# KiCad board CPU2908C.kicad_pcb (continued)
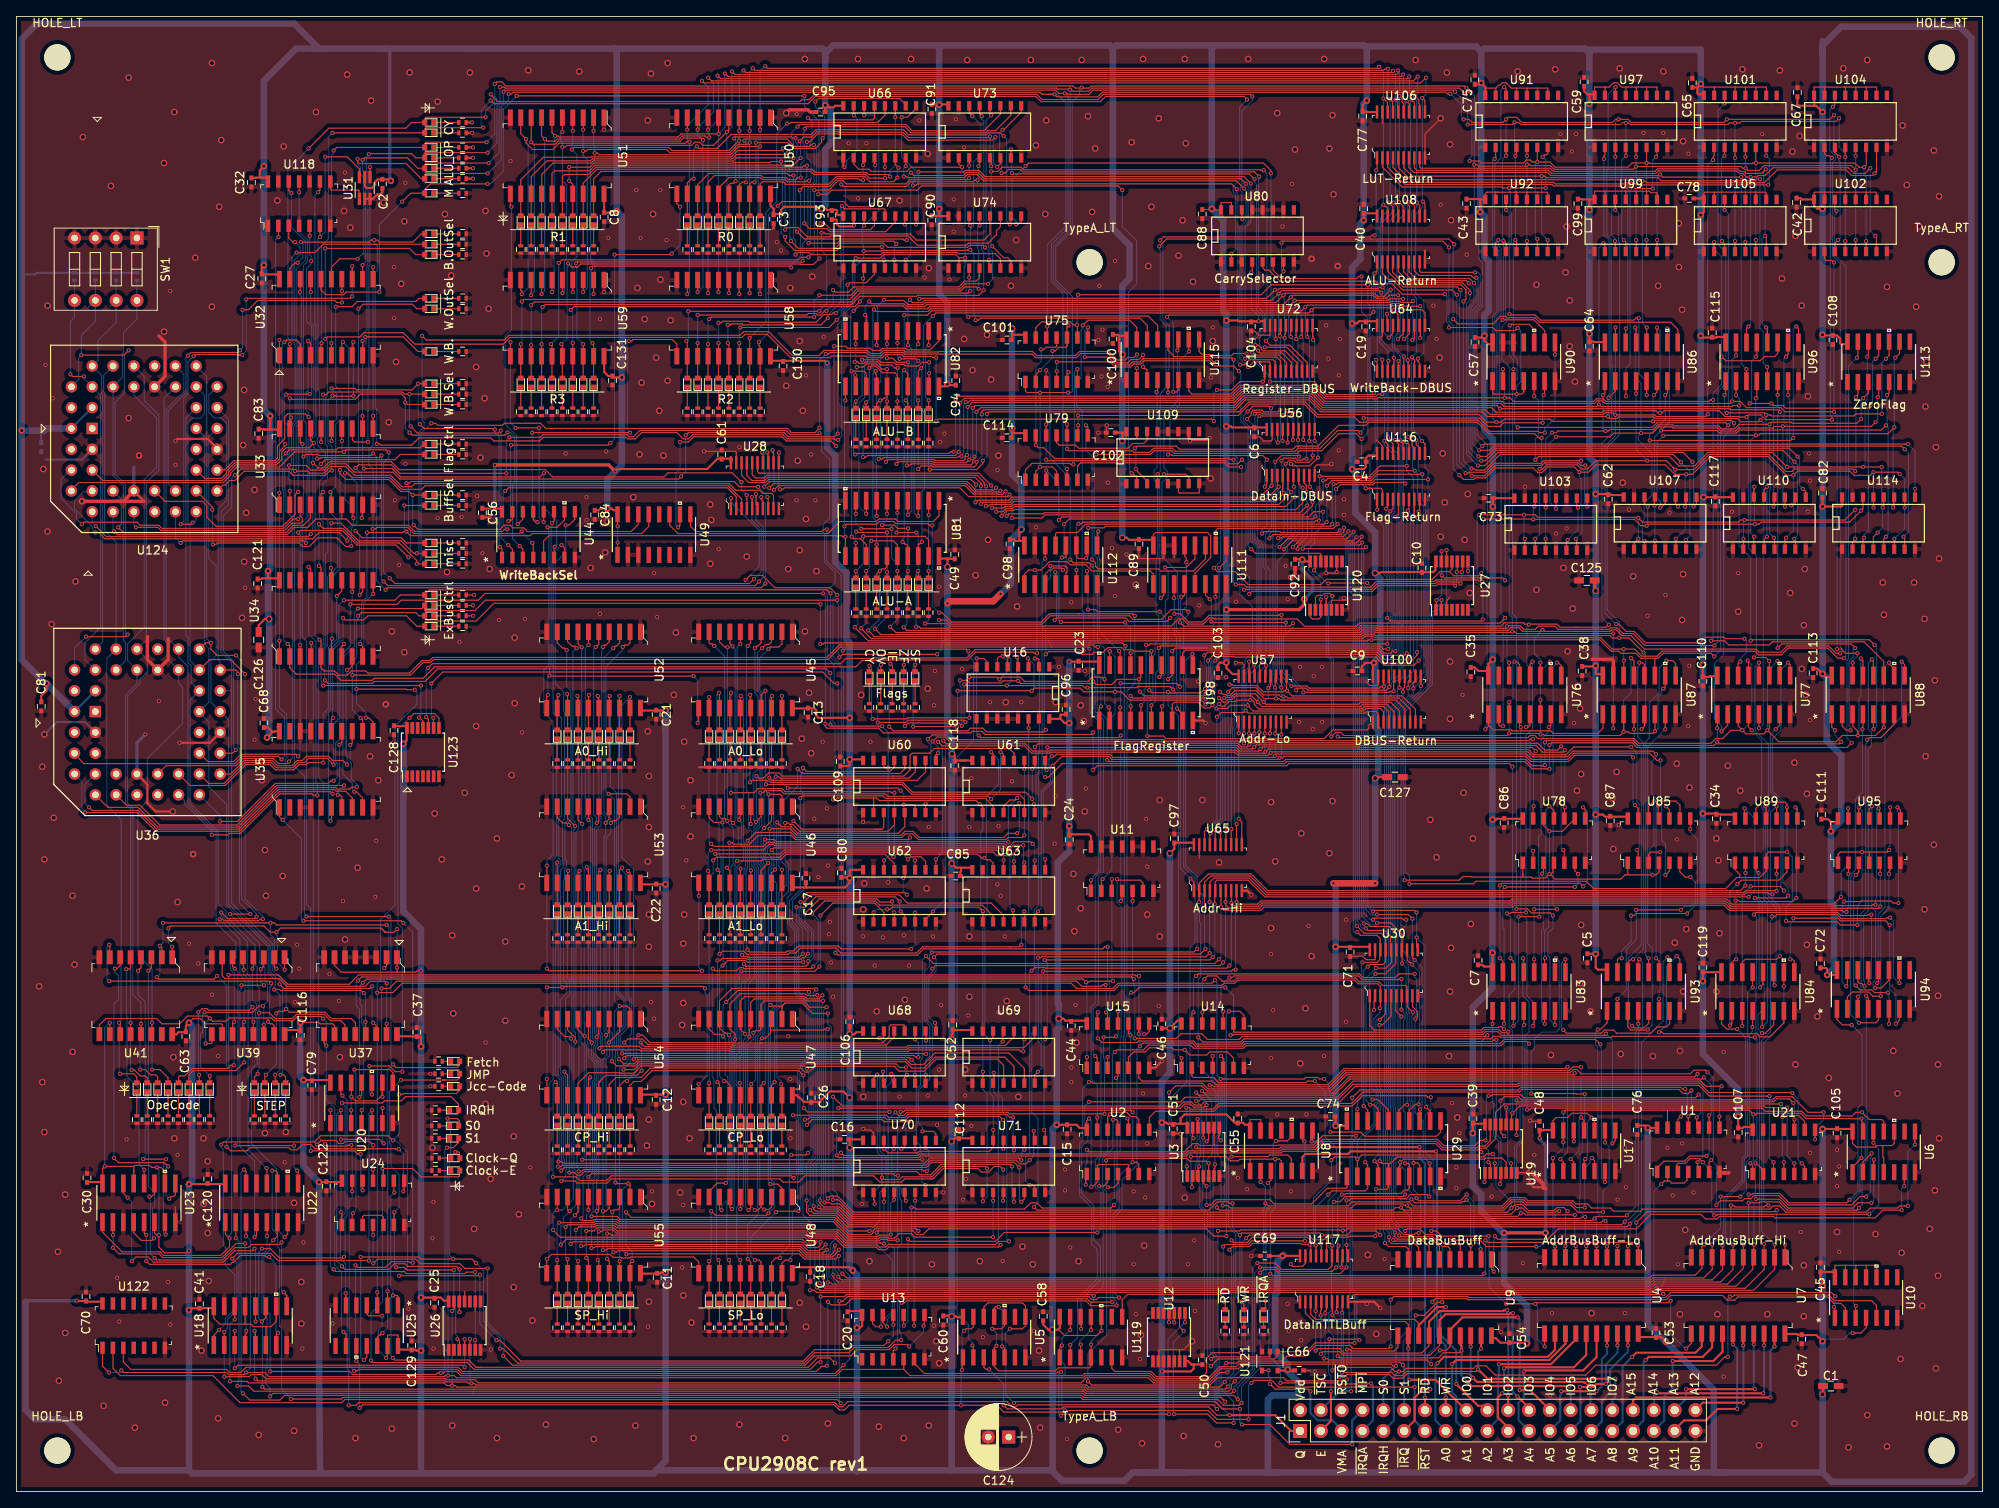
[diagram p0: board, top side]
## Routing (per net, layer and track width the routed paths; a pad name or vN(x,y) marks a point on that pad's centre or on a via; arc(x,y) is an arc through that point) (continued)
/ExBusCtrl1: length 319.8
  Top w0.127: v2(163.18,23.8) 163.43,24.05 200.96,24.05 v2(201.03,24.12) ; 49.88,108.13 49.5,107.75 v2(41.71,107.75) ; 201.53,37.9 201.15,37.9 v2(200.77,37.52) ; 201.53,37.9 U1.2 ; 201.53,37.9 201.77,37.9 202.02,37.65 203.57,37.65 203.93,38.01 203.93,38.88 ; v2(145.78,15.29) 146.67,16.18 149.13,16.18 153.53,16.18 153.89,16.55 153.89,16.95 ; v2(112.38,102.16) 100.82,102.16 v2(100.44,101.78) ; 49.81,107.59 49.81,108.09 ; 49.81,107.59 49.9,107.5 55.96,107.5 57.23,108.77 v2(100.19,108.77) ; 49.81,107.59 49.81,107.62 ; v2(41.26,85.4) 41.52,85.4 42.26,84.65 U35.9 ; v2(143.06,107.37) 142.81,107.62 140.95,107.62 139.75,106.42 136.3,106.42 135.86,106.86 130.97,106.86 126.2,106.86 125.19,105.85 114.03,105.85 113.52,106.35 v2(112.62,106.35) ; 143.58,44.41 143.58,43.2 v2(143.67,43.11) ; v2(163.35,18.15) 158.54,18.15 157.47,17.07 154.02,17.07
  Bottom w0.127: v2(201.03,24.12) 199.88,25.26 199.88,36.63 v2(200.77,37.52) ; v2(112.38,102.16) 112.89,102.67 112.89,106.08 v2(112.62,106.35) ; v2(100.19,108.77) 100.19,108.41 100.32,108.29 100.32,102.26 100.44,102.14 v2(100.44,101.78) ; v2(41.26,85.4) 41.01,85.65 41.01,86.41 39.86,87.56 39.86,101.77 41.27,103.17 41.27,107.31 v2(41.71,107.75) ; v2(143.06,107.37) 143.06,107.02 142.48,106.44 142.48,76.25 143.86,74.87 143.86,66.97 143.24,66.35 143.24,43.53 v2(143.67,43.11) 143.42,42.86 143.42,41.9 143.87,41.45 143.89,41.45 144.11,41.23 144.11,40.08 143.92,39.89 143.92,38.12 144.45,37.58 144.45,34.66 145.02,34.1 145.02,16.06 v2(145.78,15.29) ; v2(163.35,18.15) 163.35,23.63 v2(163.18,23.8)
/ExBusCtrl2: length 174.9
  Top w0.127: v2(41.71,106.86) 42.09,107.24 48.75,107.24 49.14,106.86 49.88,106.86 ; v2(42.01,94.42) 42.26,94.16 U35.12 ; v2(41.01,99.62) 48.12,99.62 49.64,101.15 50.55,101.15 50.93,101.53 99.05,101.53 100.57,103.05 126.34,103.05 130.79,103.05 v2(130.98,102.86) ; U2.13 131.92,45.63 v2(131.94,45.65)
  Bottom w0.127: v2(41.71,106.86) 41.71,106.51 41.52,106.32 41.52,101.79 41.01,101.28 v2(41.01,99.62) 41.01,95.41 v2(42.01,94.42) ; v2(131.94,45.65) 131.94,49.6 131.18,50.36 131.18,59.11 131.69,59.62 131.69,74.98 132.32,75.62 132.32,94.16 131.43,95.05 131.43,97.41 131.3,97.54 131.3,98.23 130.98,98.55 v2(130.98,102.86)
/ExBusCtrl3: length 176.7
  Top w0.127: v2(38.64,94.42) 38.45,94.23 U35.15 ; v2(98.14,103.43) 98.49,103.43 98.62,103.56 113.08,103.56 131,103.56 131.01,103.55 134.99,103.55 v2(135.37,103.18) ; 49.77,105.59 48.88,105.59 47.61,106.86 42.91,106.86 42.41,106.36 40.11,106.36 v2(39.86,106.61) ; v2(98.16,108.26) 98.03,108.39 58.28,108.39 56.12,106.22 50.01,106.22 49.88,106.09 49.88,105.85 ; U2.10 135.73,45.41 v2(135.62,45.52) ; 49.88,105.59 49.63,105.85
  Bottom w0.127: v2(98.14,103.43) 98.14,108.24 v2(98.16,108.26) ; v2(39.86,106.61) 39.86,103.94 38.59,102.67 38.59,94.46 v2(38.64,94.42) ; v2(135.37,103.18) 135.37,102.83 135.24,102.7 135.24,55.64 135.11,55.51 135.11,46.03 v2(135.62,45.52)
/Executer/AHO0: length 21.6
  Top w0.127: U78.3 186.41,75.57 v2(186.24,75.4) ; U83.6 186.53,57.09 v2(186.55,57.08)
  Bottom w0.127: v2(186.24,75.4) 186.24,75.05 186.37,74.92 186.37,68.6 186.15,68.38 186.15,57.47 v2(186.55,57.08)
/Executer/AHO1: length 30.8
  Top w0.127: v2(181.68,73.78) 181.69,73.78 v2(190.22,73.78) ; U78.6 190.22,75.76 v2(190.61,75.37) ; v2(181.6,57.08) 181.6,58.98 181.46,59.11
  Bottom w0.127: v2(190.22,73.78) 190.61,74.18 v2(190.61,75.37) ; v2(181.68,73.78) 181.43,73.53 181.43,68.78 181.6,68.62 v2(181.6,57.08)
/Executer/AHO2: length 32.7
  Top w0.127: U83.15 181.45,64.7 v2(181.07,65.08) ; U78.8 191.49,83.24 v2(191.23,83.49) ; v2(181.09,73.97) 181.34,74.22 190.87,74.22 v2(191.25,73.84)
  Bottom w0.127: v2(191.25,73.84) 191.76,74.35 191.76,82.97 v2(191.23,83.49) ; v2(181.07,65.08) 181.09,65.1 v2(181.09,73.97)
/Executer/AHO3: length 22.6
  Top w0.127: v2(186.59,65.08) 186.53,65.02 U83.11 ; v2(187.12,83.62) 187.68,83.07 U78.11
  Bottom w0.127: v2(186.59,65.08) 186.59,65.43 186.53,65.49 186.53,68.4 187.04,68.91 187.04,74.78 186.68,75.13 186.68,83.18 v2(187.12,83.62)
/Executer/AHO4: length 22
  Top w0.127: U93.6 v2(200.5,60.11) ; U85.3 199.23,77.76 199.5,78.03 v2(200.65,78.03)
  Bottom w0.127: v2(200.65,78.03) 200.65,61.22 200.5,61.08 v2(200.5,60.11)
/Executer/AHO5: length 27
  Top w0.127: v2(204.33,74.98) 203.69,74.98 203.04,75.64 203.04,76.89 ; v2(203.17,70.98) v2(197.72,70.98) ; U93.2 v2(195.42,60.13)
  Bottom w0.127: v2(203.17,70.98) 203.59,71.4 204.43,71.4 204.94,71.91 204.94,74.38 v2(204.33,74.98) ; v2(197.72,70.98) 197.72,67.36 196.51,66.15 196.51,61.21 v2(195.42,60.13)
/Executer/AHO6: length 27.2
  Top w0.127: v2(195.95,65.08) 195.59,65.08 195.42,64.91 U93.15 ; v2(197.09,70.29) 197.44,70.29 197.7,70.54 v2(203.93,70.54) ; U85.8 v2(204.31,80.83)
  Bottom w0.127: v2(197.09,70.29) 197.09,67.11 195.95,65.97 v2(195.95,65.08) ; v2(203.93,70.54) 205.19,71.8 205.19,79.6 204.31,80.47 v2(204.31,80.83)
/Executer/AHO7: length 22.6
  Top w0.127: v2(200.14,65.08) 200.5,64.71 U93.11 ; 200.5,81.84 200.39,81.95 v2(200.39,83.75)
  Bottom w0.127: v2(200.14,65.08) 200.14,77.88 200.14,77.89 200.14,83.5 v2(200.39,83.75)
/Executer/AHO8: length 24.8
  Top w0.127: v2(213.09,55.94) 213.47,55.94 214.49,56.95 214.49,58.22 ; v2(212.64,75.49) 212.31,75.82 U89.3
  Bottom w0.127: v2(213.09,55.94) 212.58,56.44 212.58,58.22 213.35,58.98 213.35,61.9 213.09,62.16 213.09,71.92 212.64,72.36 v2(212.64,75.49)
/Executer/AHO9: length 27.3
  Top w0.127: 216.12,76.89 216.14,76.87 ; v2(209.16,56.88) 209.39,57.12 U84.2 ; U89.6 216.12,75.6 215.12,74.6 210.55,74.6 v2(210.06,74.12)
  Bottom w0.127: v2(210.06,74.12) 209.16,73.21 v2(209.16,56.88)
/Executer/AHO10: length 29.3
  Top w0.127: v2(217.27,72.44) 216.82,72 210.33,72 210.2,72.12 v2(209.85,72.12) ; U89.8 217.39,83.26 v2(217.16,83.49) ; v2(209.92,64.95) 209.79,64.95 209.39,64.56 U84.15
  Bottom w0.127: v2(217.27,72.44) 217.27,83.38 v2(217.16,83.49) ; v2(209.85,72.12) 209.92,72.06 v2(209.92,64.95)
/Executer/AHO11: length 25.7
  Top w0.127: v2(213.47,83.62) 213.58,83.51 U89.11 ; v2(214.62,61.78) 214.47,61.92 U84.11
  Bottom w0.127: v2(213.47,83.62) 213.47,72.57 214.8,71.24 214.8,62.32 214.62,62.13 v2(214.62,61.78)
/Executer/AHO12: length 25.3
  Top w0.127: U95.3 224.89,75.6 v2(224.52,75.24) ; v2(228.44,60.89) 226.81,60.89 226.49,61.21 225.04,61.21 v2(224.5,61.75) ; U94.6 v2(228.57,57.08)
  Bottom w0.127: v2(224.52,75.24) 224.25,74.96 224.25,62 v2(224.5,61.75) ; v2(228.44,60.89) 228.57,60.76 v2(228.57,57.08)
/Executer/AHO13: length 22.7
  Top w0.127: v2(228.57,75.37) 228.57,75.68 228.7,75.81 U95.6 ; U94.2 223.49,60.36 224.08,60.96 226.11,60.96 226.61,60.45 v2(227.57,60.45)
  Bottom w0.127: v2(228.57,75.37) 228.57,71.16 227.57,70.16 227.57,60.51
/Executer/AHO14: length 32.7
  Top w0.127: U94.15 223.49,61.78 v2(223.36,61.65) ; U95.8 229.97,83.13 v2(229.6,83.49) ; v2(223.11,72) 225.09,72 225.16,72.06 228.82,72.06 229.08,71.81 v2(229.71,71.81)
  Bottom w0.127: v2(229.71,71.81) 229.71,82.87 229.6,82.98 v2(229.6,83.49) ; v2(223.11,72) 222.86,71.75 222.86,62.15 v2(223.36,61.65)
/Executer/AHO15: length 27.1
  Top w0.127: v2(226.49,83.62) 226.16,83.29 U95.11 ; v2(226.9,61.45) 227.62,61.45 228.59,62.41 228.59,63.17
  Bottom w0.127: v2(226.49,83.62) 226.49,71.24 226.94,70.79 226.94,62.47 226.65,62.19 226.65,61.7 v2(226.9,61.45)
/Executer/ALU0: length 139.8
  Top w0.127: U113.2 224.78,133.79 v2(224.52,133.53) ; v2(136.51,127.31) 136.77,127.56 141.59,127.56 141.97,127.18 155.82,127.18 156.2,127.56 158.86,127.56 161.4,130.1 164.71,130.1 165.09,130.48 178.32,130.48 179.71,129.09 185.31,129.09 185.81,128.58 v2(186.17,128.58) ; v2(202.81,120.2) 202.53,120.47 U107.11 ; U109.3 138.02,123.31 136.64,124.69 v2(136.64,124.77) ; v2(185.91,124.77) 186.27,124.77 186.78,125.28 190.51,125.28 191.02,124.77 191.76,124.77 192.77,125.78 v2(199.06,125.78) 201.4,125.78 v2(202.48,124.7) 204.77,124.7 206.62,126.55 213.89,126.55 215.97,124.47 216.73,124.47 217.03,124.77 224.2,124.77 v2(224.45,124.52) ; U86.4 v2(197.71,133.97) ; v2(185.39,116.26) 185.39,114.99
  Bottom w0.127: v2(136.64,124.77) 136.64,127.18 v2(136.51,127.31) ; v2(202.81,120.2) 202.48,120.52 v2(202.48,124.7) ; v2(197.71,133.97) 197.71,127.14 v2(199.06,125.78) ; v2(224.52,133.53) 224.52,124.58 v2(224.45,124.52) ; v2(185.39,116.26) 185.91,116.78 v2(185.91,124.77) 186.17,125.02 v2(186.17,128.58)
/Executer/ALU1: length 81.4
  Top w0.127: U86.1 193.9,134.02 v2(193.66,133.79) ; v2(187.44,129.21) 187.95,129.21 188.14,129.41 v2(193.97,129.41) 194.33,129.41 194.51,129.59 199.79,129.59 200.36,130.16 202.19,130.16 202.32,130.04 207.77,130.04 208.15,129.66 209.73,129.66 210.3,130.23 v2(213.99,130.23) 214.24,130.48 216.64,130.48 216.76,130.36 224.65,130.36 v2(225.16,130.87) ; v2(186.68,120.07) 186.68,121.32 186.66,121.34 ; v2(225.41,133.41) 226.05,134.04 U113.3 ; U110.5 214.6,116.33 v2(214.54,116.39) ; v2(186.66,116.26) 186.66,115.12
  Bottom w0.127: v2(193.66,133.79) 193.66,129.72 v2(193.97,129.41) ; v2(213.99,130.23) 213.99,122.93 214.1,122.82 214.1,122.4 213.99,122.29 213.99,116.94 v2(214.54,116.39) ; v2(225.41,133.41) 225.16,133.15 v2(225.16,130.87) ; v2(186.66,116.26) 186.66,120.05 v2(186.68,120.07) 186.68,128.45 v2(187.44,129.21)
/Executer/ALU2: length 97.3
  Top w0.127: U86.13 197.71,141.93 v2(197.6,142.04) ; v2(187.95,128.71) 194.55,128.71 195,129.15 v2(198.3,129.15) 199.71,129.15 200.46,129.91 202.09,129.91 202.22,129.78 207.67,129.78 208.04,129.41 209.84,129.41 210.21,129.78 214.41,129.78 214.6,129.98 v2(215.62,129.98) 226.43,129.98 v2(226.94,130.48) ; v2(227.19,133.53) 227.32,133.66 U113.4 ; U107.3 v2(198.72,115.99) ; v2(187.93,119.94) 187.93,121.09 ; U110.11 v2(215.87,120.2)
  Bottom w0.127: v2(215.87,120.2) 215.62,120.45 v2(215.62,129.98) ; v2(198.3,129.15) 198.3,135.24 197.6,135.94 v2(197.6,142.04) ; v2(227.19,133.53) 227.19,130.74 v2(226.94,130.48) ; v2(187.95,128.71) 187.18,127.94 187.18,120.69 v2(187.93,119.94) ; 198.23,129.09 197.98,128.83 197.98,128.32 199.63,126.67 199.63,121.59 198.67,120.64 198.67,118.59 198.48,118.39 198.48,116.24 v2(198.72,115.99)
/Executer/ALU3: length 79.1
  Top w0.127: v2(200.76,129.47) 207.62,129.47 207.93,129.15 209.94,129.15 210.31,129.53 227.63,129.53 v2(228.21,130.1) ; v2(228.33,133.79) 228.59,134.04 U113.5 ; U107.4 v2(200,116.01) ; U86.10 v2(201.52,141.91) ; 200,121.09 199.95,121.04 v2(199.95,120.32) ; v2(228.21,116.51) 227.94,116.24 U114.5
  Bottom w0.127: v2(201.52,141.91) 201.77,141.66 201.77,130.48 v2(200.76,129.47) 199.95,128.66 v2(199.95,120.32) 200,120.28 v2(200,116.01) ; v2(228.33,133.79) 228.33,130.23 v2(228.21,130.1) 228.45,129.85 228.45,116.76 v2(228.21,116.51)
/Executer/ALU4: length 82.3
  Top w0.127: U107.12 201.26,120.56 200.77,120.07 v2(200.65,120.07) ; v2(212.31,133.41) 212.44,133.53 U96.4 ; U114.11 229.21,120.2 v2(229.08,120.07) ; v2(229.35,138.36) 229.86,138.87 U113.9 ; 201.09,128.89 v2(212.31,128.89) 212.67,128.89 212.86,129.09 228.46,129.09 v2(229.22,129.85) ; U110.3 212.06,116.45 v2(212.12,116.51)
  Bottom w0.127: v2(200.65,120.07) 200.65,120.83 200.26,121.21 200.26,128.07 v2(201.03,128.83) ; v2(212.31,133.41) v2(212.31,128.89) 211.69,128.27 211.69,116.94 v2(212.12,116.51) ; v2(229.35,138.36) 229.22,138.23 v2(229.22,129.85) 229.08,129.71 v2(229.08,120.07)
/Executer/ALU5: length 50.4
  Top w0.127: U110.4 213.33,116.18 v2(213.66,116.51) ; U110.13 213.33,122.28 v2(213.66,122.61) ; U113.10 228.59,138.61 v2(228.2,138.23) ; v2(227.7,131.5) 224.52,131.5 224.27,131.25 214.24,131.25 214.11,131.37 v2(213.58,131.37) 213.33,131.63 v2(208.76,131.63) ; U96.1 208.63,133.91 v2(208.5,133.79)
  Bottom w0.127: v2(213.66,116.51) v2(213.66,122.61) 213.66,122.96 213.55,123.07 213.55,130.99 213.58,131.02 v2(213.58,131.37) ; v2(227.7,131.5) 227.7,137.72 v2(228.2,138.23) ; v2(208.5,133.79) 208.5,131.88 ; 208.51,131.88 v2(208.76,131.63)
/Executer/ALU6: length 62.9
  Top w0.127: v2(226.3,132.52) 225.98,132.19 215.95,132.19 215.63,132.52 214.47,132.52 v2(214.22,132.77) v2(211.55,132.77) ; U110.12 214.6,120.32 v2(214.47,120.2) ; v2(226.94,138.23) 227.32,138.61 U113.11 ; v2(225.52,116.39) 225.4,116.26 U114.3 ; U96.13 212.44,138.61 v2(212.31,138.49)
  Bottom w0.127: v2(214.47,120.2) 214.47,132.52 v2(214.22,132.77) ; v2(211.55,132.77) 211.8,133.02 211.8,137.97 v2(212.31,138.49) ; v2(226.94,138.23) 226.55,137.85 226.55,132.77 v2(226.3,132.52) 226.05,132.26 226.05,117.26 225.52,116.74 v2(225.52,116.39)
/Executer/ALU7: length 97.4
  Top w0.127: v2(225.92,138.49) 226.05,138.61 U113.12 ; v2(216,138.49) 216.25,138.74 U96.10 ; 225.14,125.02 v2(216.12,125.02) 214.35,126.8 206.49,126.8 204.84,125.15 202.93,125.15 201.79,126.29 185.79,126.29 v2(185.41,125.91) ; 225.14,125.02 v2(225.41,125.02) ; 225.14,125.02 v2(227.68,125.02) ; v2(227.19,117.02) 226.66,116.5 226.66,114.99 ; U114.12 227.94,120.2 v2(227.81,120.07) ; 185.26,135.31 v2(185.26,133.66)
  Bottom w0.127: v2(185.26,133.66) 185.79,133.13 185.79,128.83 185.41,128.45 v2(185.41,125.91) ; v2(227.19,117.02) 227.81,117.64 v2(227.81,120.07) 227.68,120.2 v2(227.68,125.02) ; v2(216.12,125.02) 216.12,130.11 215.75,130.49 215.75,138.24 v2(216,138.49) ; v2(225.92,138.49) 225.92,133.26 225.66,133 225.66,125.27 v2(225.41,125.02)
/Executer/ALU_A0: length 170.1
  Top w0.127: 180.94,94.42 180.94,93.54 181.09,93.4 v2(181.47,93.4) ; v2(110.92,105.91) 113.61,105.91 113.92,105.59 125.29,105.59 125.31,105.62 140.96,105.62 141.84,106.49 142.35,106.49 142.98,105.85 144.89,105.85 144.89,105.86 145.64,106.61 146.06,106.61 146.19,106.48 156.33,106.48 157.22,105.58 163.55,105.58 163.94,105.97 181.09,105.97 v2(181.72,106.61) ; v2(181.6,171.38) 181.83,171.14 U91.14 ; 111.35,120.2 v2(111.35,119.18) ; D129.2 v2(111.35,112.32)
  Bottom w0.127: v2(111.35,119.18) v2(111.35,112.32) 111.35,106.34 v2(110.92,105.91) ; v2(181.6,171.38) 181.2,170.98 181.2,162.73 180.45,161.98 180.45,151.95 180.96,151.44 180.96,143.82 180.45,143.31 180.45,131.74 181.22,130.98 181.22,107.12 v2(181.72,106.61) 181.47,106.35 v2(181.47,93.4)
/Executer/ALU_A1: length 187
  Top w0.127: 190.34,105.47 188.44,105.47 188.06,105.85 184.63,105.85 ; 190.34,105.47 190.47,105.47 ; 190.34,105.47 194.06,105.47 v2(194.37,105.78) ; v2(184.26,93.27) 184.52,93.27 184.75,93.51 U76.5 ; 184.63,105.85 v2(184.63,105.79) ; 184.63,105.85 184.12,105.85 183.96,106.01 181.62,106.01 181.2,105.6 166.19,105.6 166.14,105.65 164.09,105.65 163.77,105.33 135.95,105.33 135.95,105.34 125.4,105.34 110.37,105.34 110.18,105.52 v2(109.83,105.52) ; v2(107.43,117.02) v2(109.84,117.02) ; 195.17,170.24 195.19,170.25 v2(195.19,171.38) ; D130.2 v2(110.08,112.32) ; v2(107.54,119.44) 107.54,120.45
  Bottom w0.127: v2(194.37,105.78) 193.53,106.62 193.53,127.92 194.72,129.1 194.72,133.19 194.78,133.25 194.78,137.4 194.66,137.52 194.66,152.81 194.13,153.34 194.13,161.2 194.3,161.36 194.3,170.49 v2(195.19,171.38) ; v2(109.83,105.52) 109.83,112.07 v2(110.08,112.32) 110.08,116.78 v2(109.84,117.02) ; v2(184.26,93.27) 184.63,93.64 184.63,100.64 184.38,100.89 184.38,105.54 v2(184.63,105.79) ; v2(107.54,119.44) 107.54,117.13 v2(107.43,117.02)
/Executer/ALU_A2: length 195.5
  Top w0.127: 181.96,105.59 182.02,105.65 183.55,105.65 183.99,105.21 185.39,105.21 185.77,105.59 187.8,105.59 188.18,105.21 194.41,105.21 194.6,105.4 195.39,105.4 196.08,104.7 197.33,104.7 198.79,103.24 v2(207.25,103.24) ; 181.96,105.59 181.94,105.57 v2(181.93,105.57) ; 181.96,105.59 181.71,105.34 166.09,105.34 166.03,105.4 164.2,105.4 163.88,105.08 135.85,105.08 135.84,105.08 125.5,105.08 108.68,105.08 v2(108.3,105.47) ; U101.14 v2(208.5,169.36) ; v2(105.65,117.93) 107.16,117.93 107.56,117.53 v2(108.83,117.53) ; 106.27,120.2 v2(106.27,119.31) ; 182.22,99.24 v2(182.22,101.15) ; D131.2 v2(108.81,112.32)
  Bottom w0.127: v2(108.3,105.47) 108.7,105.86 108.7,112.21 v2(108.81,112.32) 108.81,116.53 ; v2(182.22,101.15) 181.93,101.43 v2(181.93,105.57) ; 108.81,116.53 108.83,116.55 v2(108.83,117.53) ; 108.81,116.53 108.81,117.26 108.83,117.28 ; v2(105.65,117.93) 106.27,118.55 v2(106.27,119.31) ; v2(208.5,169.36) 207.7,168.56 207.7,152.14 208.65,151.19 208.65,135.18 207.7,134.23 207.7,103.69 v2(207.25,103.24)
/Executer/ALU_A3: length 215.5
  Top w0.127: 186.28,105.21 186.53,104.96 194.52,104.96 194.7,105.14 195.28,105.14 195.97,104.45 197.07,104.45 198.72,102.8 200.77,102.8 212.33,102.8 212.71,102.42 215.38,102.42 216.14,103.18 221.22,103.18 222.11,102.29 v2(222.62,102.29) ; 186.28,105.21 186.02,104.96 183.87,104.96 183.43,105.4 182.38,105.4 182.08,105.09 165.98,105.09 165.93,105.14 164.3,105.14 163.98,104.82 135.74,104.82 135.74,104.83 125.61,104.83 107.34,104.83 v2(106.65,105.52) ; 186.28,105.21 v2(186.28,105.15) ; v2(106.82,117.49) 103.49,117.49 103.48,117.5 v2(103.12,117.5) ; 186.03,99.24 v2(186.03,101.15) ; U104.14 221.97,169.22 v2(221.71,168.97) ; D132.2 v2(107.54,112.32) ; v2(102.46,119.31) 102.46,120.7
  Bottom w0.127: v2(102.46,119.31) 102.46,118.16 v2(103.12,117.5) ; v2(222.62,102.29) 222.87,102.54 222.87,102.82 222.62,103.07 222.62,149.86 221.66,150.81 221.66,162.16 222.04,162.53 222.04,162.95 221.35,163.64 221.35,168.6 v2(221.71,168.97) ; v2(106.65,105.52) 107.54,106.41 v2(107.54,112.32) 107.54,113.23 106.82,113.94 v2(106.82,117.49) ; v2(186.03,101.15) 186.03,101.5 185.28,102.25 185.28,104.15 v2(186.28,105.15)
/Executer/ALU_A4: length 177.5
  Top w0.127: 182.85,104.96 v2(182.6,104.96) ; 182.85,104.96 182.73,104.84 165.88,104.84 165.82,104.89 164.41,104.89 164.09,104.57 135.64,104.57 135.63,104.58 125.71,104.58 105.51,104.58 v2(104.8,105.28) ; 182.85,104.96 183.1,104.7 v2(194.92,104.7) ; v2(181.83,156.39) 181.83,157.53 ; v2(106.27,117.02) 102.64,117.02 v2(102.52,117.15) ; v2(102.46,115.75) 102.46,114.74 ; D133.2 v2(106.27,112.2) ; 194.91,94.92 v2(194.91,93.15)
  Bottom w0.127: v2(106.27,117.02) v2(106.27,112.2) 106.41,112.05 106.41,106.89 v2(104.8,105.28) ; v2(102.46,115.75) 102.46,117.09 v2(102.52,117.15) ; v2(181.83,156.39) 182.22,156.01 182.22,152.47 181.85,152.11 181.85,152.07 181.77,152 181.77,143.26 181.89,143.14 181.89,142.72 181.34,142.17 181.34,138.1 182.22,137.23 182.22,106.99 182.6,106.61 v2(182.6,104.96) ; v2(194.92,104.7) v2(194.92,93.15)
/Executer/ALU_A5: length 173.4
  Top w0.127: v2(198.38,93.04) 198.72,93.38 U87.5 ; 106.25,113.7 106.25,112.83 106,112.58 105.63,112.58 v2(105.38,112.32) 105,111.94 D134.2 ; 192.76,104.45 179.27,104.45 179.27,104.45 165.9,104.45 165.72,104.64 164.52,104.64 164.19,104.31 135.53,104.31 135.53,104.32 125.82,104.32 104.73,104.32 v2(103.98,105.08) ; 192.76,104.45 194.52,104.45 194.81,104.15 v2(195.65,104.15) 196.83,104.15 v2(198.61,102.37) ; 192.76,104.45 192.88,104.45 ; v2(195.16,156.39) 195.16,156.75 195.17,156.75 195.17,157.53
  Bottom w0.127: v2(198.38,93.04) 198.86,93.51 198.86,102.12 v2(198.61,102.37) ; v2(195.65,104.15) 195.69,104.2 195.69,106.1 195.65,106.1 194.17,107.58 194.17,127.44 195.69,128.96 195.69,152.36 195.56,152.5 195.56,156 v2(195.16,156.39) ; v2(103.98,105.08) 105.38,106.48 v2(105.38,112.32)
/Executer/ALU_A6: length 199.4
  Top w0.127: v2(196.2,101.4) 196.2,99.51 196.19,99.5 ; U102.14 221.97,156.45 v2(222.15,156.26) ; v2(223.07,101.69) 222.33,101.69 221.09,102.92 216.27,102.92 215.44,102.1 212.67,102.1 212.22,102.54 206.97,102.54 200.87,102.54 200.26,101.93 198.4,101.93 197.53,102.8 v2(196.19,102.8) 194.79,102.8 193.39,104.19 179.16,104.19 179.16,104.2 165.8,104.2 165.61,104.38 164.62,104.38 164.3,104.06 132.2,104.06 132.19,104.07 125.92,104.07 104.36,104.07 v2(103.09,105.34) ; v2(104.36,116.01) 107.05,116.01 107.54,115.51 107.54,114.61 ; D135.2 v2(103.73,112.32)
  Bottom w0.127: v2(103.09,105.34) 103.73,105.97 v2(103.73,112.32) 104.11,112.7 104.11,115.75 v2(104.36,116.01) ; v2(222.15,156.26) 222.15,155.91 221.92,155.68 221.92,150.92 223.32,149.52 223.32,101.94 v2(223.07,101.69) ; v2(196.19,102.8) 196.19,101.42 v2(196.2,101.4)
/Executer/ALU_A7: length 285.9
  Top w0.127: 200.03,101.68 198.29,101.68 197.68,102.29 195.82,102.29 195.57,102.54 194.68,102.54 193.28,103.94 179.06,103.94 v2(165.4,103.94) 165.05,103.94 164.91,103.81 131.11,103.81 131.1,103.81 126.03,103.81 103.98,103.81 v2(102.33,105.47) ; 200.03,101.68 200,101.64 U87.11 ; 200.03,101.68 200.37,101.68 200.98,102.29 206.87,102.29 v2(207.25,101.91) ; v2(160.13,110.8) 160.2,110.87 v2(164.89,110.87) ; D136.2 v2(102.46,112.32) ; v2(183.25,129.85) 199.69,129.85 200.25,130.42 208.65,130.42 v2(208.96,130.1) ; v2(174.36,146.1) 169.17,146.1 167.89,147.38 166.22,147.38 165.92,147.69 154.23,147.69 152.87,149.05 152.41,149.05 152.12,149.34 U80.5 ; 180.2,134.93 180.2,134.04 180.33,133.91 183.75,133.91 184.01,134.17 184.01,134.25 183.99,134.27 U90.4 ; v2(103.37,116.56) 110.92,116.56 111.35,116.13 111.35,114.74 ; v2(174.87,142.04) 180.2,142.04 180.58,141.66 182.93,141.66 v2(183.25,141.98) ; U120.13 158.56,112.57 v2(158.41,112.41) ; U105.14 v2(208.5,156.39)
  Bottom w0.127: v2(208.5,156.39) 208.96,155.94 208.96,132.2 209.21,131.95 209.21,130.35 v2(208.96,130.1) 208.01,129.16 208.01,102.67 v2(207.25,101.91) ; v2(183.25,141.98) 183.63,141.6 183.63,135.44 183.12,134.93 v2(183.12,133.91) 183.12,133.56 182.87,133.31 182.87,130.23 v2(183.25,129.85) ; v2(103.37,116.56) 103.37,113.24 v2(102.46,112.32) 102.73,112.05 102.73,105.86 v2(102.33,105.47) ; v2(160.13,110.8) 160.02,110.8 v2(158.41,112.41) ; v2(174.36,146.1) 174.61,145.85 174.61,142.65 174.87,142.39 v2(174.87,142.04) ; v2(165.4,103.94) 165.4,110.36 v2(164.89,110.87)
/Executer/ALU_B0: length 206.4
  Top w0.127: v2(180.44,162.62) 180.56,162.74 U91.2 ; v2(199.88,133.79) 200.25,134.15 200.25,136.33 ; 208.88,95.18 208.88,93.51 v2(208.14,92.77) ; v2(209.66,130.36) 209.34,130.68 199.86,130.68 v2(199.78,130.59) 187.46,130.59 187.18,130.87 181.61,130.87 181.24,130.49 v2(180.65,130.49) 179.46,130.49 178.52,131.43 158.81,131.43 157.29,132.96 150.44,132.96 149.24,131.75 118.73,131.75 v2(118.48,131.5) ; v2(111.48,124.71) 117.23,124.71 117.95,125.43 v2(117.95,125.78) ; U82.2 v2(111.35,139.88) ; D137.2 v2(111.35,133.15)
  Bottom w0.127: v2(180.65,130.49) 180.2,130.94 180.2,143.44 180.22,143.44 180.71,143.92 180.71,151.33 180.2,151.84 180.2,162.38 v2(180.44,162.62) ; v2(117.95,125.78) 118.48,126.31 v2(118.48,131.5) ; v2(111.35,139.88) 110.97,139.5 110.97,133.53 v2(111.35,133.15) 111.35,124.84 v2(111.48,124.71) ; v2(199.88,133.79) 199.78,133.68 v2(199.78,130.59) ; v2(208.14,92.77) 208.14,93.4 207.25,94.29 207.25,101.02 208.39,102.16 208.39,128.71 209.66,129.98 v2(209.66,130.36)
/Executer/ALU_B1: length 205.8
  Top w0.127: v2(212.89,130.79) 212.64,130.54 210.48,130.54 210.09,130.93 200.06,130.93 199.87,131.12 195.57,131.12 195.38,130.93 194.53,130.93 v2(194.28,131.19) 179.48,131.19 178.91,131.75 159.21,131.75 157.75,133.21 150.04,133.21 148.84,132.01 118.05,132.01 117.85,131.81 v2(117.85,131.45) ; v2(107.81,138.23) 109.84,138.23 v2(110.09,137.98) ; 195.17,135.18 195.17,134.29 v2(194.34,133.46) ; v2(212.7,93.15) 212.69,93.15 U77.5 ; v2(110.08,124.77) 110.46,125.15 111.75,125.15 111.87,125.03 116.91,125.03 117.19,125.3 v2(117.19,125.66) ; v2(193.77,162.62) 193.77,162.97 193.9,163.1 193.9,163.88 ; v2(107.54,140.14) 107.54,141.03 ; D138.2 v2(110.08,133.15)
  Bottom w0.127: v2(117.85,131.45) 117.85,126.32 v2(117.19,125.66) ; v2(193.77,162.62) 193.77,153.34 194.41,152.7 194.41,137.42 194.53,137.3 194.53,134 194.34,133.82 v2(194.34,133.46) 194.28,133.41 v2(194.28,131.19) ; v2(110.08,124.77) v2(110.08,133.15) 109.83,133.4 109.83,137.71 v2(110.09,137.98) ; v2(107.54,140.14) 107.54,138.5 v2(107.81,138.23) ; v2(212.89,130.79) 213.22,130.46 213.22,93.66 v2(212.7,93.15)
/Executer/ALU_B2: length 220.4
  Top w0.127: v2(207.11,162.49) 207.11,162.87 207.23,163 207.23,163.88 ; v2(116.94,126.29) 116.94,126.06 116.75,125.87 116.75,125.5 116.53,125.28 111.98,125.28 111.85,125.4 109.22,125.4 109.04,125.22 v2(108.68,125.22) ; v2(206.45,131.44) 206.2,131.19 200.16,131.19 199.98,131.37 v2(195.17,131.37) 194.92,131.63 193.9,131.63 193.71,131.44 179.86,131.44 179.29,132.01 159.32,132.01 157.86,133.46 149.93,133.46 148.73,132.26 117.7,132.26 v2(117.19,131.75) ; v2(106.27,140.01) 106.27,141.53 ; D139.2 108.81,132.9 v2(108.56,133.15) ; 195.17,139.88 195.19,139.9 v2(195.19,142.04) ; 210.16,99.24 210.16,101 v2(210.43,101.27) ; v2(106.27,138.29) 106.97,138.29 107.47,137.79 v2(108.82,137.79) ; v2(195.25,105.85) 195.61,105.85 196.5,104.96 197.47,104.96 198.87,103.56 205.47,103.56 206.17,104.25 208.42,104.25 208.61,104.07 v2(210.93,104.07)
  Bottom w0.127: v2(207.11,162.49) 206.45,161.83 v2(206.45,131.44) ; v2(108.82,137.79) 108.82,133.42 v2(108.56,133.15) 108.8,132.9 108.8,125.34 v2(108.68,125.22) ; v2(210.43,101.27) 210.43,101.63 211.19,102.39 211.19,103.81 v2(210.93,104.07) ; v2(117.19,131.75) 117.19,126.55 v2(116.94,126.29) ; v2(106.27,138.29) v2(106.27,140.01) ; v2(195.25,105.85) 193.91,107.18 193.91,127.56 195.17,128.82 v2(195.17,131.37) 195.17,142.03 v2(195.19,142.04)
/Executer/ALU_B3: length 225.5
  Top w0.127: 200.63,131.63 200.88,131.63 201.14,131.88 207.85,131.88 208.55,131.19 210.21,131.19 210.28,131.12 v2(211.17,131.12) 211.42,131.37 212.94,131.37 213.51,130.8 v2(221.6,130.8) ; 200.63,131.63 200.38,131.63 200.12,131.88 199.74,131.88 ; 200.63,131.63 v2(200.63,131.63) ; U77.11 213.97,101.33 v2(213.95,101.34) 213.51,101.78 v2(212.08,101.78) ; 200.25,140.01 v2(200.25,142.04) ; v2(116.73,132.23) 117.02,132.52 148.63,132.52 149.83,133.72 157.96,133.72 159.42,132.26 178.29,132.26 ; v2(221.6,162.74) 221.35,162.99 220.97,162.99 220.7,163.27 220.7,163.88 ; 199.74,131.88 193.79,131.88 193.61,131.69 180.64,131.69 180.21,132.13 180.19,132.13 180.06,132.26 178.29,132.26 ; 199.74,131.88 200,131.88 ; 178.29,132.26 178.55,132.26 ; D140.2 v2(107.54,133.02) ; v2(107.41,125.4) 107.67,125.66 111.96,125.66 112.08,125.53 115.92,125.53 v2(116.31,125.93) ; v2(102.46,140.01) 102.46,141.28 ; v2(102.33,137.85) 102.69,137.85 102.87,137.66 103.43,137.66 103.62,137.85 105.08,137.85 105.47,137.46 106.85,137.46 107.22,137.1 v2(107.57,137.1)